# Altium PCB IPG.PcbDoc (part 7 of 10) (continued)
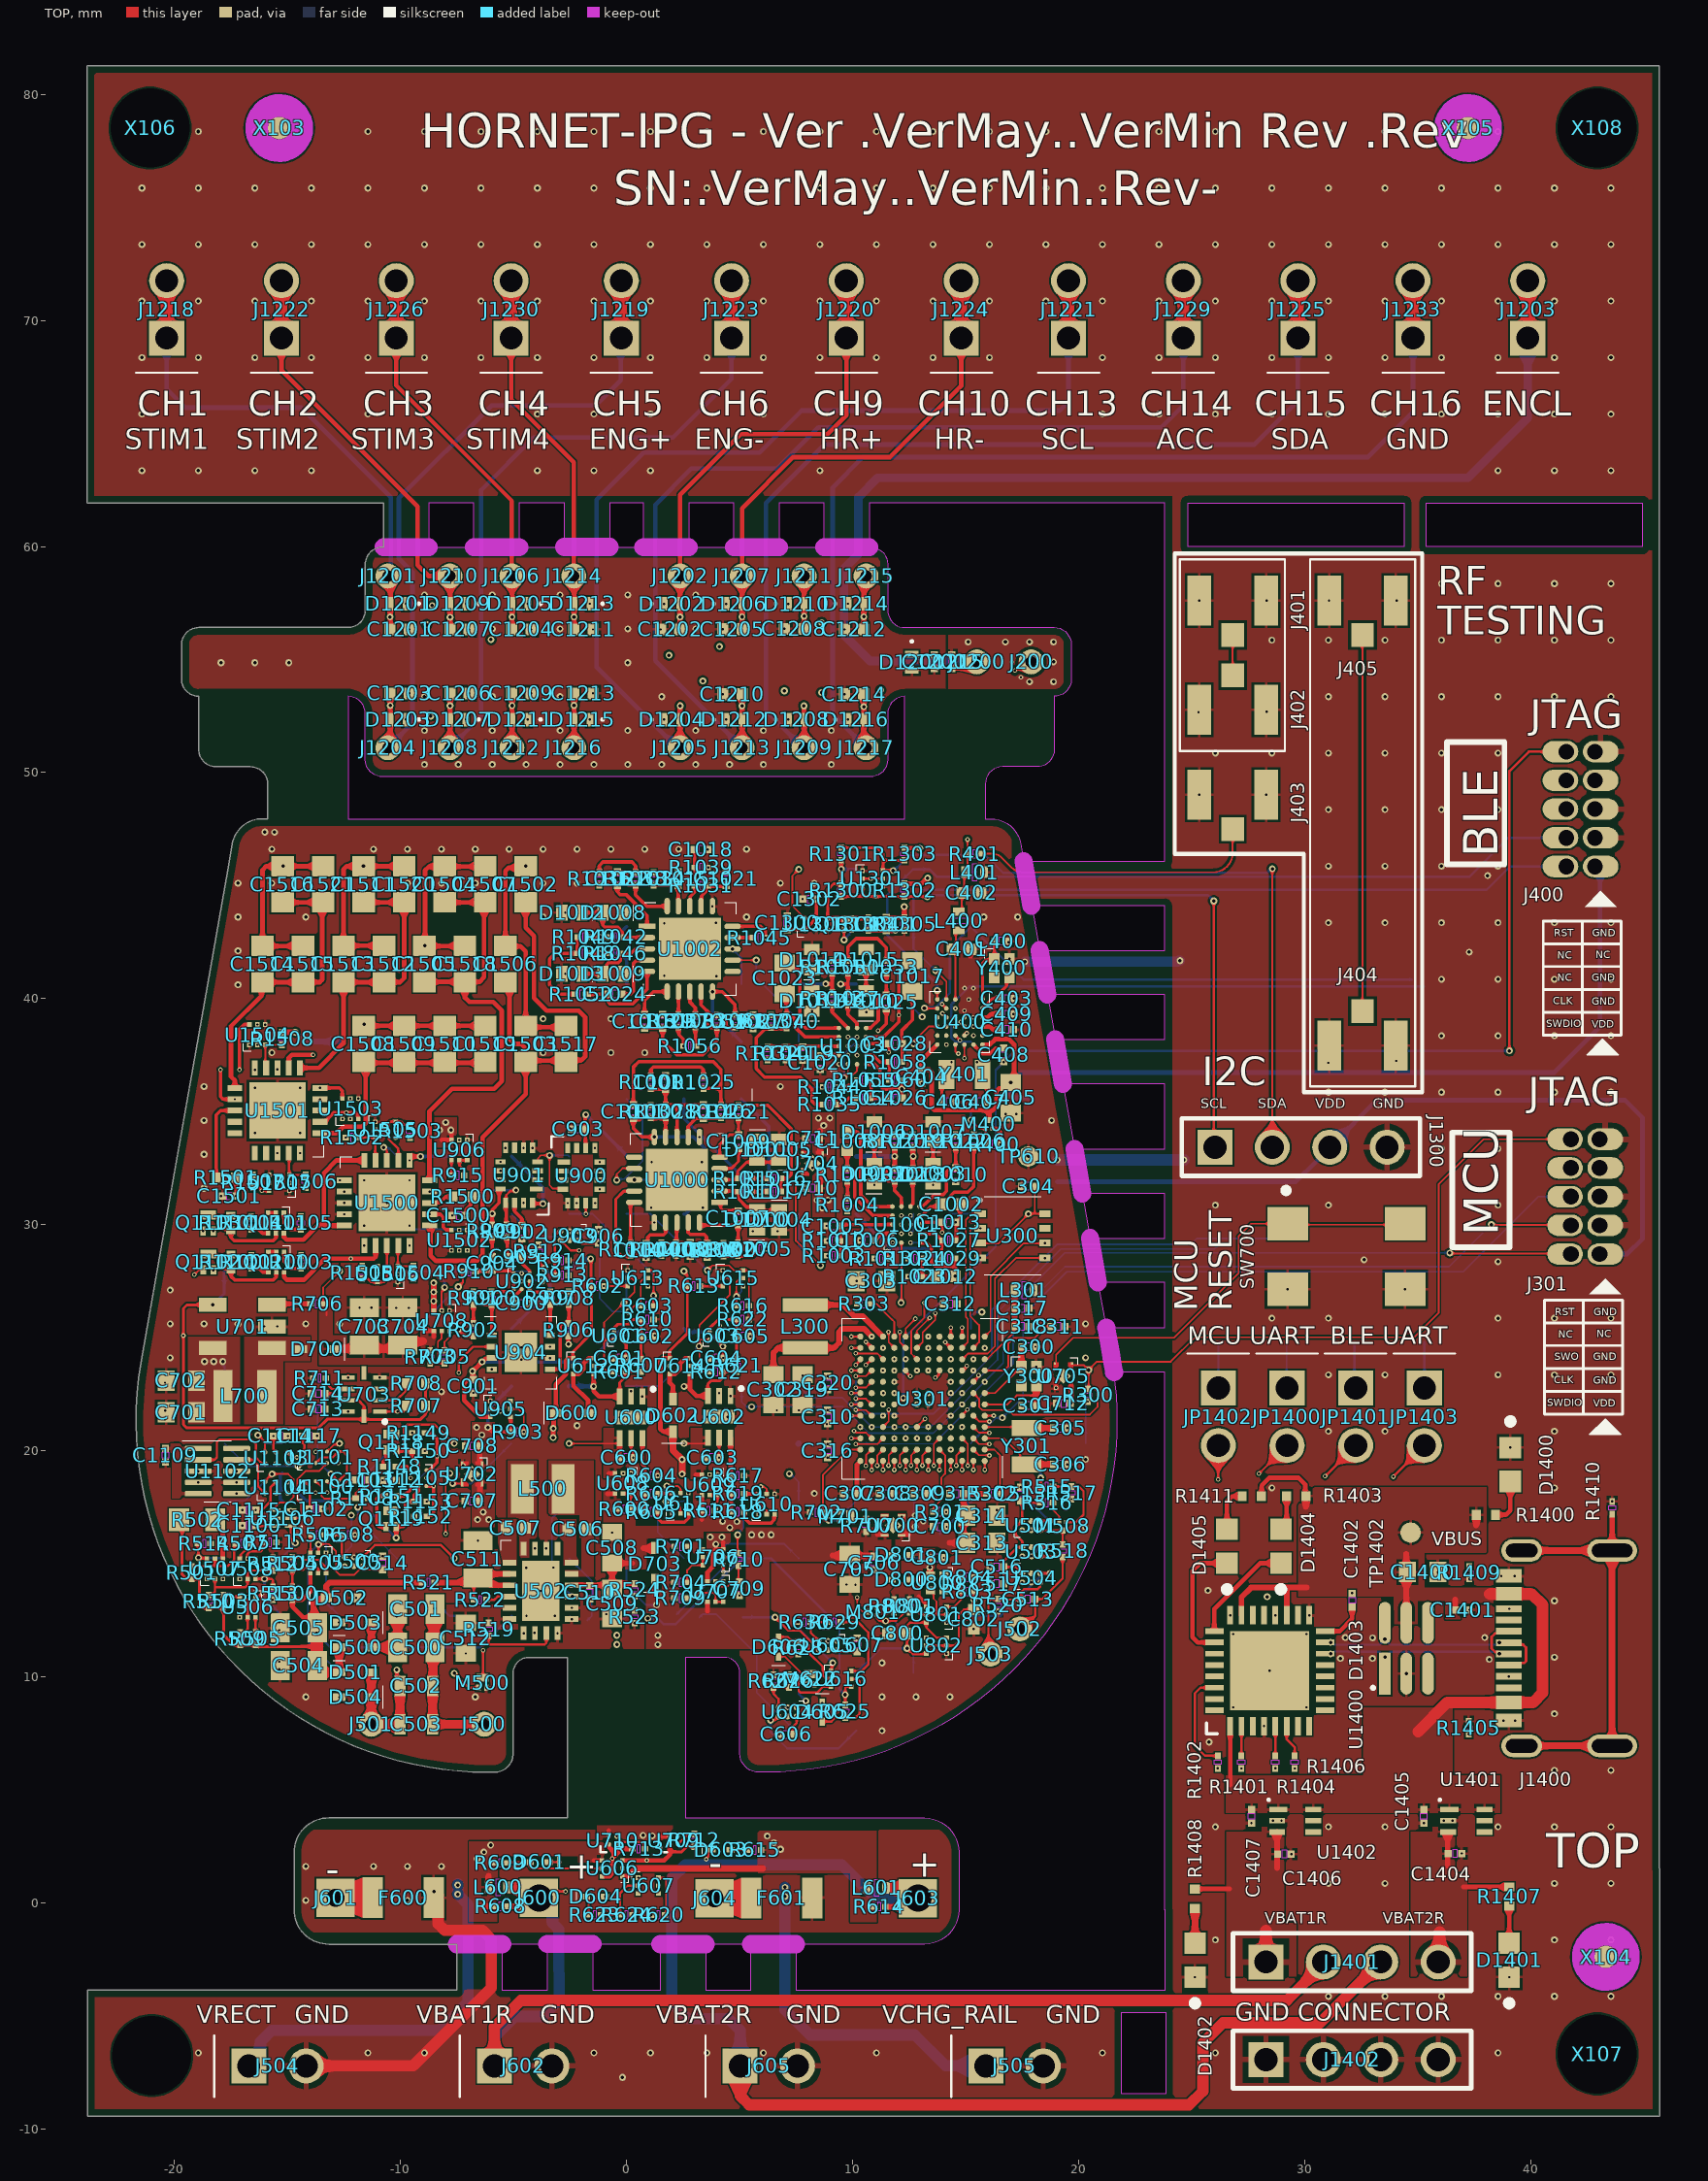
[diagram p0: TOP view]
## Nets (pads, with @x,y where several pads share a name; then routed paths per layer and width w, separated by ;. In a path a pad name is that pad's centre, name@x,y a point inside that pad or via, vN(x,y) a via of type N, cw(c..) or ccw(c..) an arc to the next point about the centre after c; other vN are vias at no path point) (continued)
  POWER w0.2: 14.275,47.501 14.275,47.749 ; 14.275,52.68 14.275,53.873 ; 14.275,53.841 15.124,52.992 15.124,52.97 15.916,53.763 ; 14.402,52.934 14.402,52.937 15.464,54 ; 14.591,48.351 14.732,48.211 15.087,47.856 ; 14.732,47.501 15.087,47.856 ; 14.917,53.841 15.824,52.934 15.85,52.934 16.637,53.721 ; 15.395,47.547 15.087,47.856 ; 15.405,47.501 15.405,48.412 ; 15.405,48.174 15.087,47.856 ; 15.723,53.772 16.561,52.934 17.234,53.607 ; 16.358,53.823 17.272,52.908 17.272,52.931 17.591,53.25 ; v7@16.891,53.95 17.234,53.607 ; 17.983,52.911 17.983,52.908 17.932,52.908 17.591,53.25 ; 18.167,53.825 17.591,53.25 ; 18.45,53.825 18.466,53.81 18.466,52.908 ; 17.234,53.607 17.591,53.25
  POWER w0.203: 14.275,47.749 14.275,48.472 ; 14.579,47.501 14.58,48.418 ; 14.732,48.211 14.939,48.418
  POWER w0.4: v7(-15.697,55.474) -15.697,54.534 -15.316,54.153 -15.316,47.422
  GND 2 w0.305: v7(-15.24,46.981) -15.24,46.99 -14.753,47.477 -14.753,52.918 cw(c-11.786,52.918) -14.718,53.373 cw(c-11.786,52.918) -11.786,55.884 v9(-5.996,55.884)
  GND 2 w0.5: -0.991,2.582 -0.991,11.842
  AVERT w0.102: v3@-5.392,42.875 v8@-5.392,43.176 ; v3@-4.748,15.236 v8@-4.748,15.536 ; v3@4.769,20.015 v8@4.769,20.316 ; v3@4.769,30.176 v8@4.769,30.476 ; v3@5.392,45.415 v8@5.392,45.716 ; v3@9.848,12.242 v8@9.848,12.543 ; v3@14.179,16.033 v8@14.179,16.333
  DHOR w0.102: v2(-20.725,21.389) -20.721,21.387 -20.422,21.387 v1(-20.42,21.385) ; v2(-20.725,23.014) -20.721,23.012 -20.422,23.012 v1(-20.42,23.01) ; v2(-20.725,23.391) -20.721,23.393 -20.422,23.393 v1(-20.42,23.395) ; v2(-20.723,21.767) -20.719,21.769 -20.42,21.769 v1(-20.418,21.771) ; v2@-20.702,19.502 -20.7,19.5 -20.4,19.5 v1(-20.398,19.498) ; v2@-19.252,19.102 -19.25,19.1 -18.95,19.1 v1(-18.948,19.098) ; v1(-18.952,18.598) -18.95,18.6 -18.65,18.6 v2@-18.648,18.602 ; v2(-18.863,14.335) -18.861,14.333 -18.562,14.333 v1@-18.56,14.331 ; v2(-18.163,14.335) -18.161,14.333 -17.862,14.333 v1(-17.858,14.331) ; v1(-17.939,31.274) v1(-17.939,31.274) -17.637,31.276 v2@-17.635,31.278 ; v2@-17.552,18.598 -17.55,18.6 -17.25,18.6 v1(-17.248,18.602) ; v2(-17.418,12.64) -17.416,12.638 -17.117,12.638 v1@-17.115,12.636 ; v2(-17.416,14.335) -17.414,14.333 -17.114,14.333 v1@-17.112,14.331 ; v2(-17.306,16.699) -17.302,16.697 -17.003,16.697 v1(-17.001,16.695) ; v2(-17.306,17.372) -17.302,17.374 -17.003,17.374 v1(-17.001,17.376) ; v2@-16.984,37.957 -16.982,37.955 -16.682,37.955 v1(-16.68,37.953) ; v1(-16.443,34.052) -16.441,34.054 -16.142,34.054 v2(-16.138,34.056) ; v1(-16.443,36.052) -16.441,36.054 -16.142,36.054 v2(-16.138,36.056) ; v2(-16.427,13.693) -16.425,13.691 -16.125,13.691 v1@-16.123,13.689 ; v1(-16.416,15.231) -16.414,15.233 -16.114,15.233 v2(-16.111,15.235) ; v2(-16.33,25.498) -16.327,25.5 -16.027,25.5 v1(-16.025,25.502) ; v1(-15.984,38.853) -15.982,38.855 -15.683,38.855 v2(-15.679,38.857) ; v1(-15.819,32.2) -15.817,32.202 -15.517,32.202 v2(-15.514,32.204) ; v2(-15.682,10.352) -15.675,10.345 -15.374,10.345 v1(-15.367,10.338) ; v2(-15.677,12.072) -15.674,12.069 -15.373,12.069 v1(-15.369,12.065) ; v2(-15.675,12.42) v1(-15.367,12.421) ; v2@-15.673,10.668 v1(-15.367,10.668) ; v1(-15.646,15.266) -15.644,15.268 -15.345,15.268 v2(-15.341,15.27) ; v1(-15.502,18.123) -15.5,18.125 -15.2,18.125 v2@-15.198,18.127 ; v1(-15.502,19.429) -15.5,19.431 -15.2,19.431 v2@-15.198,19.433 ; v1(-15.491,15.951) -15.489,15.953 -15.19,15.953 v2(-15.186,15.955) ; v1(-15.452,25.504) -15.45,25.502 -15.15,25.502 v2@-15.148,25.5 ; v2(-15.28,20.657) -15.276,20.655 -14.976,20.655 v1(-14.975,20.653) ; v2(-15.162,17.37) -15.159,17.368 -14.859,17.368 v1(-14.857,17.366) ; v1(-14.919,31.5) -14.917,31.502 -14.617,31.502 v2@-14.615,31.504 ; v2(-14.748,34.056) -14.745,34.054 -14.445,34.054 v1(-14.443,34.052) ; v2(-14.748,36.056) -14.745,36.054 -14.445,36.054 v1(-14.443,36.052) ; v2(-14.553,18.148) -14.55,18.15 -14.25,18.15 v1(-14.248,18.152) ; v2(-14.243,21.846) -14.239,21.844 -13.94,21.844 v1(-13.938,21.842) ; v2(-14.243,22.532) -14.239,22.53 -13.94,22.53 v1(-13.938,22.528) ; v2(-14.164,23.22) -14.161,23.218 -13.861,23.218 v1(-13.859,23.216) ; v2(-13.997,20.672) -13.993,20.67 -13.694,20.67 v1(-13.692,20.668) ; v2(-13.861,35.554) -13.858,35.552 -13.558,35.552 v1(-13.556,35.55) ; v1(-13.56,35.05) -13.558,35.052 -13.259,35.052 v2@-13.257,35.054 ; v1(-13.439,17.428) -13.437,17.43 -13.137,17.43 v2(-13.134,17.432) ; v1(-13.29,15.487) -13.288,15.489 -12.988,15.489 v2@-12.986,15.491 ; v2(-13.048,9.017) -13.029,9.037 -12.806,9.037 -12.742,9.1 v1(-12.715,9.1) ; v2@-12.869,34.68 -12.867,34.678 -12.567,34.678 v1(-12.565,34.676) ; v2(-12.79,30.967) -12.787,30.965 -12.487,30.965 v1(-12.485,30.963) ; v1(-12.752,18.148) -12.75,18.15 -12.45,18.15 v2@-12.448,18.152 ; v1(-12.752,19.454) -12.75,19.456 -12.45,19.456 v2@-12.448,19.458 ; v1(-12.721,12.406) -12.719,12.408 -12.42,12.408 v2@-12.418,12.41 ; v2@-12.617,21.736 -12.615,21.734 -12.316,21.734 v1(-12.314,21.732) ; v1(-12.485,30.463) -12.483,30.465 -12.184,30.465 v2@-12.182,30.467 ; v2(-12.374,15.277) -12.364,15.288 -12.068,15.288 v1(-12.058,15.298) ; v2(-12.114,26.325) -12.111,26.327 -11.811,26.327 v1(-11.809,26.329) ; v1(-12.011,16.284) -11.714,16.284 -11.686,16.256 v2(-11.659,16.256) ; v1(-11.964,13.487) -11.962,13.489 -11.662,13.489 v2@-11.66,13.491 ; v1(-11.869,35.576) -11.867,35.578 -11.568,35.578 v2(-11.564,35.58) ; v1(-11.6,29.963) -11.598,29.965 -11.299,29.965 v2(-11.295,29.967) ; v1(-11.6,31.963) -11.598,31.965 -11.299,31.965 v2(-11.295,31.967) ; v1(-11.28,26.327) -11.278,26.325 -10.978,26.325 v2(-10.975,26.323) ; v1(-11.12,34.556) -11.118,34.558 -10.818,34.558 v2(-10.815,34.56) ; v2(-11.095,18.698) -11.092,18.696 -10.792,18.696 v1(-10.79,18.694) ; v1(-11.018,28.161) -11.016,28.163 -10.717,28.163 v2(-10.713,28.165) ; v1(-10.918,22.732) -10.916,22.734 -10.616,22.734 v2@-10.614,22.736 ; v1(-10.918,23.236) -10.916,23.234 -10.616,23.234 v2@-10.614,23.232 ; v1(-10.795,15.337) -10.793,15.339 -10.493,15.339 v2(-10.49,15.341) ; v1(-10.6,30.963) -10.598,30.965 -10.299,30.965 v2@-10.297,30.967 ; v2(-10.488,26.312) -10.485,26.314 -10.185,26.314 v1(-10.183,26.316) ; v1(-10.22,33.856) -10.218,33.858 -9.918,33.858 v2@-9.916,33.86 ; v1(-10.118,27.461) -10.116,27.463 -9.817,27.463 v2@-9.815,27.465 ; v2@-9.904,29.967 -9.902,29.965 -9.602,29.965 v1(-9.6,29.963) ; v2@-9.904,31.967 -9.902,31.965 -9.602,31.965 v1(-9.6,31.963) ; v2(-9.704,17.098) -9.7,17.096 -9.401,17.096 v1(-9.399,17.094) ; v1(-9.629,26.318) -9.627,26.316 -9.327,26.316 v2(-9.324,26.314) ; v1(-9.484,20.787) -9.482,20.789 -9.182,20.789 v2(-9.179,20.791) ; v2@-9.224,19.991 -9.222,19.989 -8.922,19.989 v1(-8.92,19.987) ; v1(-8.852,18.789) -8.85,18.787 -8.55,18.787 v2(-8.547,18.785) ; v1(-8.839,17.755) -8.837,17.757 -8.537,17.757 v2(-8.534,17.759) ; v2(-8.048,28.864) -8.044,28.862 -7.745,28.862 v1(-7.743,28.86) ; v2@-8.017,30.406 -8.015,30.404 -7.715,30.404 v1(-7.713,30.402) ; v1(-7.829,26.206) -7.827,26.208 -7.527,26.208 v2@-7.525,26.21 ; v2@-7.524,19.345 -7.522,19.347 -7.223,19.347 v1(-7.221,19.349) ; v2(-7.438,17.778) -7.434,17.776 -7.135,17.776 v1(-7.133,17.774) ; v2(-7.424,11.035) v1@-7.113,11.035 ; v1@-7.123,20.209 -6.823,20.209 v2(-6.82,20.208) ; v1(-7.047,29.76) -7.045,29.762 -6.745,29.762 v2@-6.743,29.764 ; v1(-7.047,33.747) -7.045,33.749 -6.745,33.749 v2@-6.743,33.751 ; v1(-6.833,18.774) -6.831,18.776 -6.51,18.776 v2(-6.411,18.676) ; v1(-6.833,19.174) -6.831,19.172 -6.514,19.172 v2(-6.411,19.068) ; v1(-6.782,22.56) -6.78,22.558 -6.48,22.558 v2(-6.477,22.556) ; v1(-6.575,16.025) -6.573,16.023 -6.273,16.023 v2@-6.271,16.021 ; v2@-6.414,18.674 v2(-6.411,18.676) ; v2@-6.414,19.07 v2(-6.411,19.068) ; v1(-6.202,9.514) -6.2,9.516 -5.901,9.516 v2(-5.897,9.518) ; v1(-6.031,22.2) -6.029,22.198 -5.729,22.198 v2@-5.727,22.196 ; v2@-4.857,33.404 -4.855,33.402 -4.555,33.402 v1(-4.553,33.4) ; v2(-4.854,11.929) -4.852,11.927 -4.552,11.927 v1(-4.548,11.925) ; v1(-4.65,24.026) -4.648,24.028 -4.349,24.028 v2(-4.345,24.03) ; v1(-4.65,24.564) -4.648,24.562 -4.349,24.562 v2(-4.345,24.56) ; v1(-4.638,27.847) -4.636,27.845 -4.336,27.845 v2(-4.333,27.843) ; v1(-4.623,29.368) -4.621,29.37 -4.321,29.37 v2(-4.318,29.372) ; v1(-4.431,14.824) -4.428,14.826 -4.109,14.826 v2(-4.106,14.829) ; v1(-4.425,12.7) -4.423,12.698 -4.123,12.698 v2@-4.121,12.696 ; v2(-4.354,15.679) -4.352,15.677 -4.052,15.677 v1(-4.049,15.675) ; v1(-4.349,26.523) -4.347,26.521 -4.047,26.521 v2@-4.045,26.519 ; v1(-4.153,33.4) -4.151,33.402 -3.851,33.402 v2(-3.848,33.404) ; v1(-4.07,11.939) -4.068,11.941 -3.768,11.941 v2@-3.767,11.943 ; v1(-3.8,13.8) -3.798,13.802 -3.498,13.802 v2(-3.495,13.804) ; v1(-3.55,15.675) -3.548,15.677 -3.248,15.677 v2@-3.246,15.679 ; v2(-3.539,14.838) -3.537,14.836 -3.237,14.836 v1@-3.235,14.834 ; v2(-3.479,12.696) -3.477,12.698 -3.177,12.698 v1@-3.175,12.7 ; v1(-3.389,24.102) -3.387,24.104 -3.087,24.104 v2@-3.085,24.106 ; v1(-3.05,11.925) -3.048,11.927 -2.748,11.927 v2(-2.745,11.929) ; v2@-2.904,30.958 -2.902,30.956 -2.603,30.956 v1(-2.601,30.954) ; v2(-2.824,12.55) v1(-2.425,12.55) ; v2@-2.818,29.716 -2.816,29.714 -2.517,29.714 v1(-2.515,29.712) ; v2(-2.729,13.046) -2.727,13.048 -2.427,13.048 v1@-2.425,13.05 ; v1(-2.711,41.1) -2.709,41.102 -2.409,41.102 v2@-2.407,41.104 ; v1(-2.711,43.8) -2.709,43.802 -2.409,43.802 v2@-2.407,43.804 ; v1(-2.569,28.423) -2.567,28.421 -2.268,28.421 v2@-2.266,28.419 ; v1(-2.478,34.249) -2.476,34.251 -2.177,34.251 v2(-2.173,34.253) ; v1(-2.201,30.954) v1(-2.201,30.954) -1.899,30.956 v2@-1.897,30.958 ; v2(-1.935,13.441) -1.933,13.439 -1.634,13.439 v1(-1.63,13.437) ; v1(-1.245,29.789) -1.243,29.787 -0.943,29.787 v2(-0.94,29.785) ; v2(-0.939,16.383) -0.937,16.381 -0.638,16.381 v1(-0.634,16.379) ; v1(-0.892,12.773) -0.891,12.802 -0.731,12.962 -0.731,13.135 v2(-0.711,13.154) ; v1(-0.664,24.1) -0.662,24.102 -0.362,24.102 v2@-0.36,24.104 ; v1(-0.434,2.939) -0.432,2.941 -0.132,2.941 v2(-0.129,2.943) ; v1(-0.3,21.475) -0.298,21.477 0.002,21.477 v2@0.004,21.479 ; v2(-0.247,27.989) -0.244,27.987 0.056,27.987 v1(0.058,27.985) ; v1(-0.202,25.262) -0.2,25.264 0.1,25.264 v2@0.102,25.266 ; v1(0.197,19) 0.199,19.002 0.498,19.002 v2@0.5,19.004 ; v2@0.213,1.109 0.215,1.111 0.514,1.111 v1(0.516,1.113) ; v1(0.278,-0.527) 0.28,-0.529 0.58,-0.529 v2@0.582,-0.531 ; v1(0.3,19.7) 0.302,19.702 0.602,19.702 v2(0.605,19.704) ; v2(0.339,12.786) 0.347,12.779 0.347,12.38 v1(0.354,12.373) ; v2@0.555,28.505 0.557,28.503 0.857,28.503 v1(0.859,28.501) ; v2@0.654,27.289 0.656,27.287 0.956,27.287 v1(0.958,27.285) ; v1(0.7,21.475) 0.702,21.477 1.002,21.477 v2@1.004,21.479 ; v1(0.7,22.4) 0.702,22.402 1.059,22.402 v2(1.061,22.404) ; v2(0.789,30.761) 0.793,30.759 1.092,30.759 v1(1.094,30.757) ; v2@0.929,30.1 0.931,30.098 1.23,30.098 v1(1.232,30.096) ; v2@1.078,18.902 1.08,18.9 1.38,18.9 v1(1.382,18.898) ; v1(1.116,32.764) 1.118,32.766 1.417,32.766 v2(1.421,32.768) ; v1(1.194,25.806) 1.196,25.808 1.496,25.808 v2(1.499,25.81) ; v1(1.256,25.113) 1.258,25.114 1.557,25.114 v2@1.559,25.116 ; v1(1.674,41.019) 1.676,41.021 1.976,41.021 v2(1.979,41.023) ; v1(1.674,43.33) 1.676,43.332 1.976,43.332 v2(1.979,43.334) ; v2(1.736,17.23) 1.738,17.228 2.038,17.228 v1@2.04,17.226 ; v2(1.955,2.943) 1.958,2.941 2.258,2.941 v1(2.26,2.939) ; v1(2.184,28.631) 2.186,28.629 2.486,28.629 v2(2.489,28.627) ; v1(2.736,18.126) v2(3.073,18.126) ; v1(2.818,28.582) 2.82,28.58 3.119,28.58 v2@3.121,28.578 ; v2(3.024,32.768) 3.028,32.766 3.327,32.766 v1(3.329,32.764) ; v2(3.075,30.761) 3.079,30.759 3.378,30.759 v1(3.38,30.757) ; v2@3.496,44.094 3.498,44.093 3.798,44.093 v1(3.8,44.091) ; v1(3.6,21.5) 3.602,21.502 3.902,21.502 v2@3.904,21.504 ; v1(3.6,46.6) 3.602,46.598 3.902,46.598 v2@3.904,46.596 ; v1(3.615,45.8) 3.617,45.798 3.917,45.798 v2(3.92,45.796) ; v1(3.632,24.11) 3.633,24.111 v2(3.968,24.112) v2(3.968,24.112) ; v1(3.96,43.356) 3.962,43.358 4.262,43.358 v2(4.265,43.36) ; v1(3.986,40.994) 3.988,40.996 4.287,40.996 v2(4.291,40.998) ; v1(4.033,18.941) 4.035,18.943 4.335,18.943 v2@4.337,18.945 ; v1(4.1,19.7) 4.102,19.702 4.402,19.702 v2(4.405,19.704) ; v1(4.133,25.534) 4.138,25.529 4.442,25.529 v2(4.447,25.523) ; v1(4.263,27.984) 4.265,27.986 4.565,27.986 v2@4.567,27.988 ; v1(4.283,14.217) 4.284,14.218 4.598,14.218 v2(4.599,14.219) ; v1(4.288,14.65) 4.29,14.652 4.589,14.652 v2@4.593,14.656 ; v1(4.382,45.639) 4.384,45.637 4.683,45.637 v2(4.687,45.635) ; v1(4.475,21.5) 4.477,21.502 4.777,21.502 v2@4.779,21.504 ; v1(4.6,22.425) 4.602,22.427 4.902,22.427 v2(4.905,22.429) ; v1(4.999,13.599) 5.003,13.603 5.311,13.603 v2(5.315,13.608) ; v1(5.163,27.284) 5.165,27.286 5.465,27.286 v2@5.467,27.288 ; v1(5.18,18.9) 5.182,18.902 5.482,18.902 v2@5.484,18.904 ; v1(5.416,25.806) 5.418,25.808 5.717,25.808 v2(5.721,25.81) ; v1(5.486,25.069) 5.488,25.071 5.787,25.071 v2@5.789,25.073 ; v1(5.851,17.192) v1(5.851,17.192) 6.153,17.194 v2@6.155,17.196 ; v2(6.199,10.095) v2(6.199,10.095) 6.5,10.093 v1@6.502,10.091 ; v2(6.267,29.704) 6.269,29.706 6.677,29.706 v1(6.679,29.708) ; v2(6.367,33.673) 6.371,33.671 6.67,33.671 v1(6.672,33.669) ; v2(6.451,7.452) 6.453,7.45 6.759,7.45 v1(6.761,7.449) ; v1(6.551,18.092) 6.553,18.094 6.853,18.094 v2(6.856,18.096) ; v1(6.653,21.791) 6.658,21.797 6.96,21.797 v2(6.965,21.802) ; v2@6.727,37.291 6.729,37.293 7.029,37.293 v1(7.031,37.295) ; v2(6.809,8.649) 6.811,8.647 7.128,8.647 v1(7.13,8.645) ; v1(7.108,43.673) 7.11,43.671 7.41,43.671 v2@7.412,43.669 ; v2(7.286,21.795) 7.289,21.792 7.619,21.792 v1(7.622,21.789) ; v2(7.287,12.424) v1(7.594,12.423) ; v2(7.487,44.395) 7.49,44.397 7.79,44.397 v1(7.792,44.399) ; v2@7.5,37.251 7.502,37.253 7.802,37.253 v1(7.804,37.255) ; v2@7.538,33.084 7.54,33.086 7.84,33.086 v1(7.842,33.088) ; v2@7.611,33.809 7.613,33.811 7.913,33.811 v1(7.915,33.813) ; v2(7.899,42.026) 7.902,42.028 8.202,42.028 v1(8.204,42.03) ; v1(7.93,31.613) 7.932,31.611 8.231,31.611 v2@8.233,31.609 ; v1(7.948,21.791) 7.95,21.793 8.268,21.793 v2(8.27,21.795) ; v2@8.104,43.05 8.106,43.052 8.406,43.052 v1(8.408,43.054) ; v1(8.127,17.275) 8.129,17.277 8.429,17.277 v2@8.431,17.279 ; v1(8.23,32.513) 8.232,32.515 8.531,32.515 v2(8.535,32.516) ; v1(8.23,32.9) 8.232,32.898 8.531,32.898 v2(8.535,32.896) ; v2(8.26,36.822) 8.263,36.824 8.563,36.824 v1(8.565,36.825) ; v1(8.301,9.673) 8.303,9.675 8.603,9.675 v2(8.606,9.677) ; v2@8.551,29.943 8.553,29.945 8.852,29.945 v1(8.854,29.947) ; v2(8.58,22.695) 8.581,22.696 8.9,22.696 v1(8.902,22.698) ; v2(8.584,29.282) 8.588,29.284 8.887,29.284 v1(8.889,29.286) ; v2(8.6,11.582) v1(8.915,11.582) ; v1@8.863,21.182 v2@9.169,21.182 ; v1(8.896,43.05) 8.898,43.052 9.198,43.052 v2@9.2,43.054 ; v1(8.898,20.298) 8.9,20.3 9.2,20.3 v2(9.203,20.302) ; v2(9.169,37.338) 9.169,37.329 v1(9.398,37.1) ; v2(9.296,18.104) 9.298,18.102 9.598,18.102 v1(9.602,18.1) ; v2(9.415,14.079) v1@9.73,14.08 ; v1@9.45,16.917 9.452,16.919 9.752,16.919 v2(9.754,16.921) ; v2@9.897,11.713 v1(10.211,11.714) ; v1(9.971,43.06) 9.973,43.062 10.273,43.062 v2@10.275,43.064 ; v2(10.031,29.306) 10.033,29.308 10.332,29.308 v1(10.336,29.31) ; v1(10.133,14.07) v2@10.447,14.07 ; v2(10.299,42.026) 10.302,42.028 10.602,42.028 v1(10.604,42.03) ; v1(10.443,45.664) 10.445,45.662 10.744,45.662 v2(10.748,45.66) ; v2(10.662,34.358) 10.665,34.356 10.965,34.356 v1(10.967,34.354) ; v1(10.945,14.735) 10.947,14.737 11.247,14.737 v2(11.25,14.739) ; v2(11.104,24.79) 11.108,24.79 11.349,24.549 v1(11.352,24.549) ; v1(11.2,18.1) 11.202,18.098 11.502,18.098 v2@11.504,18.096 ; v2(11.296,16.704) v2(11.296,16.704) 11.598,16.702 v1@11.6,16.7 ; v1(11.343,44.964) 11.345,44.966 11.644,44.966 v2@11.646,44.968 ; v2(11.462,29.208) 11.465,29.206 11.765,29.206 v1(11.767,29.204) ; v1@11.513,27.262 v2@11.813,27.262 ; v1(11.52,27.713) 11.524,27.711 11.823,27.711 v2(11.825,27.709) ; v2(11.543,23.035) 11.55,23.043 11.843,23.043 v1(11.85,23.05) ; v1@11.563,11.911 v2(11.895,11.912) ; v1(11.85,21.55) 11.852,21.548 12.152,21.548 v2@12.154,21.546 ; v2(11.871,17.084) 11.873,17.086 12.173,17.086 v1@12.175,17.088 ; v1(12,16.7) 12.002,16.702 12.302,16.702 v2@12.304,16.704 ; v1(12.296,42.985) 12.298,42.987 12.598,42.987 v2(12.601,42.989) ; v2(12.542,22.551) v1(12.85,22.55) ; v1(12.7,18.1) 12.702,18.098 13.002,18.098 v2(13.005,18.096) ; v2(12.753,36.256) 12.756,36.258 13.056,36.258 v1(13.058,36.26) ; v1(13.264,11.727) 13.269,11.732 13.565,11.732 v2(13.57,11.737) ; v2@13.263,34.358 13.265,34.356 13.565,34.356 v1(13.567,34.354) ; v1(13.35,22.05) 13.352,22.052 13.652,22.052 v2@13.654,22.054 ; v1(13.613,55.219) v1(13.613,55.219) 13.915,55.221 v2@13.917,55.223 ; v2(13.724,26.49) 13.726,26.492 14.026,26.492 v1(14.029,26.494) ; v1(14.039,15.263) 14.041,15.265 14.341,15.265 v2@14.343,15.267 ; v1@14.045,13.827 v2(14.374,13.828) ; v1(14.148,17.297) 14.15,17.295 14.45,17.295 v2(14.453,17.293) ; v1@14.165,11.028 v2(14.48,11.028) ; v1(14.168,16.637) 14.175,16.63 14.469,16.63 v2(14.476,16.623) ; v2@14.253,35.432 14.255,35.434 14.555,35.434 v1(14.557,35.436) ; v2(14.251,38.772) 14.255,38.77 14.555,38.77 v1(14.556,38.768) ; v2(14.251,39.164) 14.255,39.166 14.555,39.166 v1(14.556,39.168) ; v1(14.3,18.1) 14.302,18.098 14.602,18.098 v2(14.605,18.096) ; v1(14.35,21.55) 14.352,21.552 14.652,21.552 v2@14.654,21.554 ; v1(14.35,23.05) 14.352,23.052 14.652,23.052 v2@14.654,23.054 ; v1(14.375,55.224) 14.377,55.222 14.677,55.222 v2@14.679,55.22 ; v1(14.793,38.968) 14.818,38.968 15.01,38.776 v2(15.035,38.776) ; v1(14.949,39.466) 14.951,39.464 15.25,39.464 v2(15.254,39.462) ; v2@15.038,35.432 15.04,35.434 15.34,35.434 v1(15.342,35.436) ; v2(15.064,14.407) 15.068,14.404 15.366,14.404 v1(15.37,14.4) ; v1(15.152,39.967) 15.153,39.966 15.461,39.966 v2@15.466,39.961 ; v1(15.255,42.189) 15.257,42.187 15.556,42.187 v2@15.558,42.185 ; v1(15.349,38.768) 15.351,38.77 15.65,38.77 v2@15.652,38.772 ; v1(15.349,39.168) 15.351,39.166 15.65,39.166 v2@15.652,39.164 ; v1(15.365,12.121) 15.369,12.124 15.685,12.124 v2(15.688,12.128) ; v1(15.65,28.539) 15.652,28.537 15.951,28.537 v2(15.955,28.535) ; v1(15.686,44.679) 15.688,44.677 15.988,44.677 v2@15.99,44.675 ; v2(15.766,14.86) 15.767,14.858 16.084,14.858 v1(16.085,14.857) ; v2@15.773,14.121 v1(16.085,14.12) ; v1(15.809,45.593) 15.811,45.591 16.111,45.591 v2(16.115,45.589) ; v1(15.85,23.05) 15.851,23.049 v2(16.237,23.047) v2(16.237,23.047) ; v2(16.063,16.119) 16.068,16.124 16.394,16.124 v1(16.399,16.129) ; v2@16.082,15.697 v1@16.397,15.697 ; v2(16.122,12.895) 16.127,12.89 16.429,12.89 v1(16.434,12.885) ; v1(16.383,16.942) 16.385,16.944 16.705,16.944 v2(16.707,16.946) ; v1(16.383,17.374) 16.387,17.369 16.691,17.369 v2(16.695,17.365) ; v2(16.387,37.197) 16.39,37.199 16.69,37.199 v1(16.692,37.201) ; v2(16.463,34.896) 16.466,34.898 16.766,34.898 v1(16.768,34.9) ; v2@16.647,41.757 16.649,41.759 16.949,41.759 v1(16.951,41.761) ; v2(16.819,38.629) 16.822,38.631 17.122,38.631 v1(17.124,38.633) ; v2(16.819,39.315) 16.822,39.317 17.122,39.317 v1(17.124,39.319) ; v2@16.835,40.001 16.837,40.003 17.137,40.003 v1(17.139,40.005) ; v1(16.91,42.494) 16.912,42.492 17.212,42.492 v2@17.214,42.49 ; v2(17.153,22.035) 17.174,22.015 17.485,22.015 v1(17.502,21.998) ; v1(17.243,34.9) 17.245,34.898 17.544,34.898 v2@17.546,34.896 ; v1(17.424,31.699) 17.426,31.701 17.726,31.701 v2(17.729,31.703) ; v1@17.448,18.382 v2@17.768,18.382 ; v1(17.798,25.502) 17.799,25.503 18.11,25.503 v2(18.111,25.505) ; v1(17.798,26.302) 17.801,26.299 18.107,26.299 v2(18.11,26.295) ; v1(17.906,16.486) 17.91,16.49 18.211,16.49 v2(18.215,16.494) ; v1(17.91,14.173) 17.912,14.174 18.22,14.174 v2(18.221,14.175) ; v1(17.915,15.33) 17.916,15.331 v2(18.237,15.332) v2(18.237,15.332) ; v1(18.098,24.602) 18.105,24.595 18.415,24.595 v2(18.422,24.587) ; v1(18.133,23.712) 18.136,23.709 18.456,23.709 v2(18.459,23.706) ; v2(18.696,22.782) 18.697,22.783 19.005,22.783 v1(19.006,22.784) ; v2(18.726,22.095) v1(19.036,22.094) ; v2(18.844,23.27) 18.856,23.282 19.167,23.282 v1(19.179,23.294) ; v2(19.377,17.849) 19.381,17.854 19.683,17.854 v1(19.687,17.858) ; v1(19.398,25.502) 19.399,25.501 19.717,25.501 v2(19.719,25.499) ; v1(19.5,19.4) 19.504,19.404 19.81,19.404 v2(19.814,19.408) ; v1(19.5,21) 19.503,21.003 19.818,21.003 v2(19.821,21.007) ; v1(19.502,23.292) 19.521,23.272 19.741,23.272 19.794,23.22 v2(19.821,23.22) ; v2(25.007,52.669) 25.011,52.671 25.31,52.671 v1(25.312,52.673) ; v2@25.044,49.018 25.046,49.02 25.345,49.02 v1(25.347,49.022) ; v2@25.044,57.608 25.046,57.61 25.345,57.61 v1(25.347,57.612) ; v1(25.156,-3.286) 25.158,-3.288 25.457,-3.288 v2@25.459,-3.29 ; v2@26.407,12.725 26.409,12.723 26.709,12.723 v1(26.711,12.721) ; v1(26.838,8.647) 26.84,8.649 27.139,8.649 v2(27.143,8.651) ; v1(26.838,11.893) 26.84,11.895 27.139,11.895 v2(27.143,11.897) ; v2@27.347,3.528 27.349,3.526 27.648,3.526 v1(27.65,3.524) ; v2(27.992,49.018) 27.996,49.02 28.295,49.02 v1(28.297,49.022) ; v2(28.017,52.697) 28.021,52.699 28.32,52.699 v1(28.322,52.701) ; v2@28.029,57.603 28.031,57.605 28.33,57.605 v1(28.332,57.607) ; v1(28.211,7.819) 28.213,7.821 28.512,7.821 v2@28.514,7.823 ; v2@28.31,3.636 28.312,3.634 28.611,3.634 v1(28.613,3.632) ; v2@28.407,12.725 28.409,12.723 28.709,12.723 v1(28.711,12.721) ; v1(28.461,10.27) 28.463,10.272 28.762,10.272 v2(28.766,10.274) ; v2@28.948,27.14 28.95,27.142 29.25,27.142 v1(29.252,27.144) ; v1(28.981,3.632) 28.983,3.634 29.283,3.634 v2(29.286,3.636) ; v1(29.423,2.159) 29.425,2.161 29.725,2.161 v2(29.728,2.163) ; v1(30.084,8.647) 30.086,8.649 30.385,8.649 v2(30.389,8.651) ; v1(30.084,11.893) 30.086,11.895 30.385,11.895 v2(30.389,11.897) ; v1(30.211,12.721) 30.213,12.723 30.512,12.723 v2(30.516,12.725) ; v2(30.748,37.156) 30.751,37.158 31.051,37.158 v1(31.053,37.16) ; v2@30.784,57.608 30.786,57.61 31.086,57.61 v1(31.088,57.612) ; v1(32.106,13.701) 32.108,13.703 32.407,13.703 v2(32.411,13.705) ; v2(33.758,37.241) 33.761,37.243 34.061,37.243 v1(34.063,37.245) ; v2@33.769,57.603 33.771,57.605 34.071,57.605 v1(34.073,57.607) ; v2(34.147,27.14) 34.15,27.142 34.45,27.142 v1(34.452,27.144) ; v2(34.978,3.532) 34.981,3.53 35.281,3.53 v1(35.283,3.528) ; v2(35.6,14.626) 35.603,14.628 35.903,14.628 v1(35.905,14.63) ; v2@35.856,3.634 35.858,3.632 36.157,3.632 v1(36.159,3.63) ; v1(36.549,3.628) 36.551,3.63 36.85,3.63 v2(36.854,3.632) ; v1(36.952,2.184) 36.954,2.186 37.254,2.186 v2(37.257,2.188) ; v2@36.958,8.031 36.96,8.029 37.26,8.029 v1(37.262,8.027) ; v1(37.287,14.325) 37.289,14.323 37.589,14.323 v2(37.592,14.321) ; v1(37.306,12.963) 37.308,12.961 37.608,12.961 v2@37.61,12.959 ; v2(38.399,14.459) 38.403,14.461 38.702,14.461 v1(38.704,14.463) ; v2@38.508,8.069 38.51,8.067 38.809,8.067 v1(38.811,8.065) ; v1(39.056,-3.286) 39.058,-3.284 39.357,-3.284 v2(39.361,-3.282) ; v1(39.106,20.142) 39.108,20.14 39.408,20.14 v2(39.411,20.138) ; v1(39.294,14.461) 39.296,14.459 39.595,14.459 v2(39.599,14.457) ; v1(39.319,8.063) 39.321,8.065 39.621,8.065 v2(39.624,8.067) ; v2@43.308,17.751 43.31,17.753 43.61,17.753 v1(43.612,17.755)
  DHOR w0.203: 17.043,45.531 17.043,45.517 18.364,45.517
  AHOR w0.102: v8@-5.388,43.179 v12(-5.08,43.18) ; v12(-5.059,15.541) v8(-4.75,15.539) ; v8(4.771,20.319) v12(5.08,20.32) ; v8(4.772,30.479) v12(5.081,30.481) ; v12(5.08,45.72) v8@5.388,45.719 ; v8@9.852,12.547 v12(10.16,12.548) ; v12(13.868,16.338) v8(14.177,16.336)
  BOT w0.127: v12(13.868,16.338) 15.109,17.578 TP617.1@15.109,17.724
  BOT w0.2: TP617.1@15.109,17.724 15.165,17.78 TP617.1@15.24,17.78
  BOT w0.45: v9(17.628,41.631) 24.387,41.631 24.437,41.681 v9(24.486,41.681)
  BOT w0.5: v9(19.05,32.868) v9(24.663,32.868)
  other v1: 6.504,10.091 14.164,11.027 -7.112,11.034 11.562,11.911 -17.113,12.636 -3.174,12.7 -2.424,13.05 -16.122,13.689 14.044,13.826 9.73,14.08 -18.558,14.331 -17.111,14.331 -3.234,14.834 16.397,15.697 11.602,16.7 9.449,16.917 12.176,17.088 2.041,17.226 17.448,18.383 -7.125,20.211 8.863,21.182 11.51,27.26 14.959,40.462 15.346,40.462
  other v2: -3.765,11.943 -12.416,12.41 -4.12,12.696 -11.659,13.491 15.772,14.122 4.594,14.654 14.344,15.267 -12.985,15.491 -3.245,15.679 16.081,15.696 -6.27,16.021 12.305,16.704 8.432,17.279 11.505,18.096 12.155,21.546 14.655,21.554 13.655,22.054 14.655,23.054 11.815,27.264 13.918,55.223
  other v3: 6.442,7.116 6.811,8.312 -13.035,9.383 6.183,9.758 -15.687,10.005 14.474,10.694 8.596,11.249 -7.432,11.367 9.891,11.381 13.574,11.394 11.871,11.578 -4.87,11.592 -3.76,11.606 -2.74,11.592 -15.689,11.732 15.675,11.788 -12.412,12.073 7.274,12.09 9.855,12.216 -17.435,12.303 16.114,12.552 -4.115,13.028 -3.495,13.028 -1.952,13.104 -11.654,13.154 5.308,13.266 -16.443,13.356 -3.49,13.467 14.354,13.493 9.411,13.747 10.442,13.737 15.765,13.787 18.22,13.84 4.593,13.884 -18.879,13.998 -18.179,13.998 -17.432,13.998 15.05,14.067 11.255,14.402 -4.115,14.467 -3.555,14.501 15.765,14.524 -16.106,14.898 -15.337,14.933 14.349,14.93 4.595,14.99 -10.485,15.004 18.224,14.997 -12.98,15.154 -4.754,15.209 -4.37,15.342 -3.24,15.342 16.077,15.364 -15.182,15.618 -12.378,15.616 -11.729,15.847 14.173,16.006 -0.955,16.046 18.215,16.153 -6.265,16.353 11.28,16.367 12.31,16.367 16.079,16.457 9.77,16.584 16.693,16.609 1.72,16.893 8.437,16.942 11.855,17.416 14.458,17.625 16.693,17.702 9.28,17.767 17.757,18.05 19.367,18.186 11.51,18.428 13.01,18.428 14.61,18.428 19.81,19.067 9.208,19.965 4.775,19.988 19.81,20.667 9.172,20.849 14.66,21.217 13.66,21.717 18.716,21.761 18.686,22.451 16.245,22.708 14.66,22.717 12.53,22.883 19.811,23.575 18.859,23.622 18.443,24.04 18.408,24.93 18.108,25.835 19.708,25.83 18.108,26.63 13.708,26.822 11.831,26.932 11.841,28.046 15.959,28.867 10.014,29.638 4.776,30.149 -5.385,42.848 5.385,45.388